# KiCad board 6502.kicad_pcb (continued)
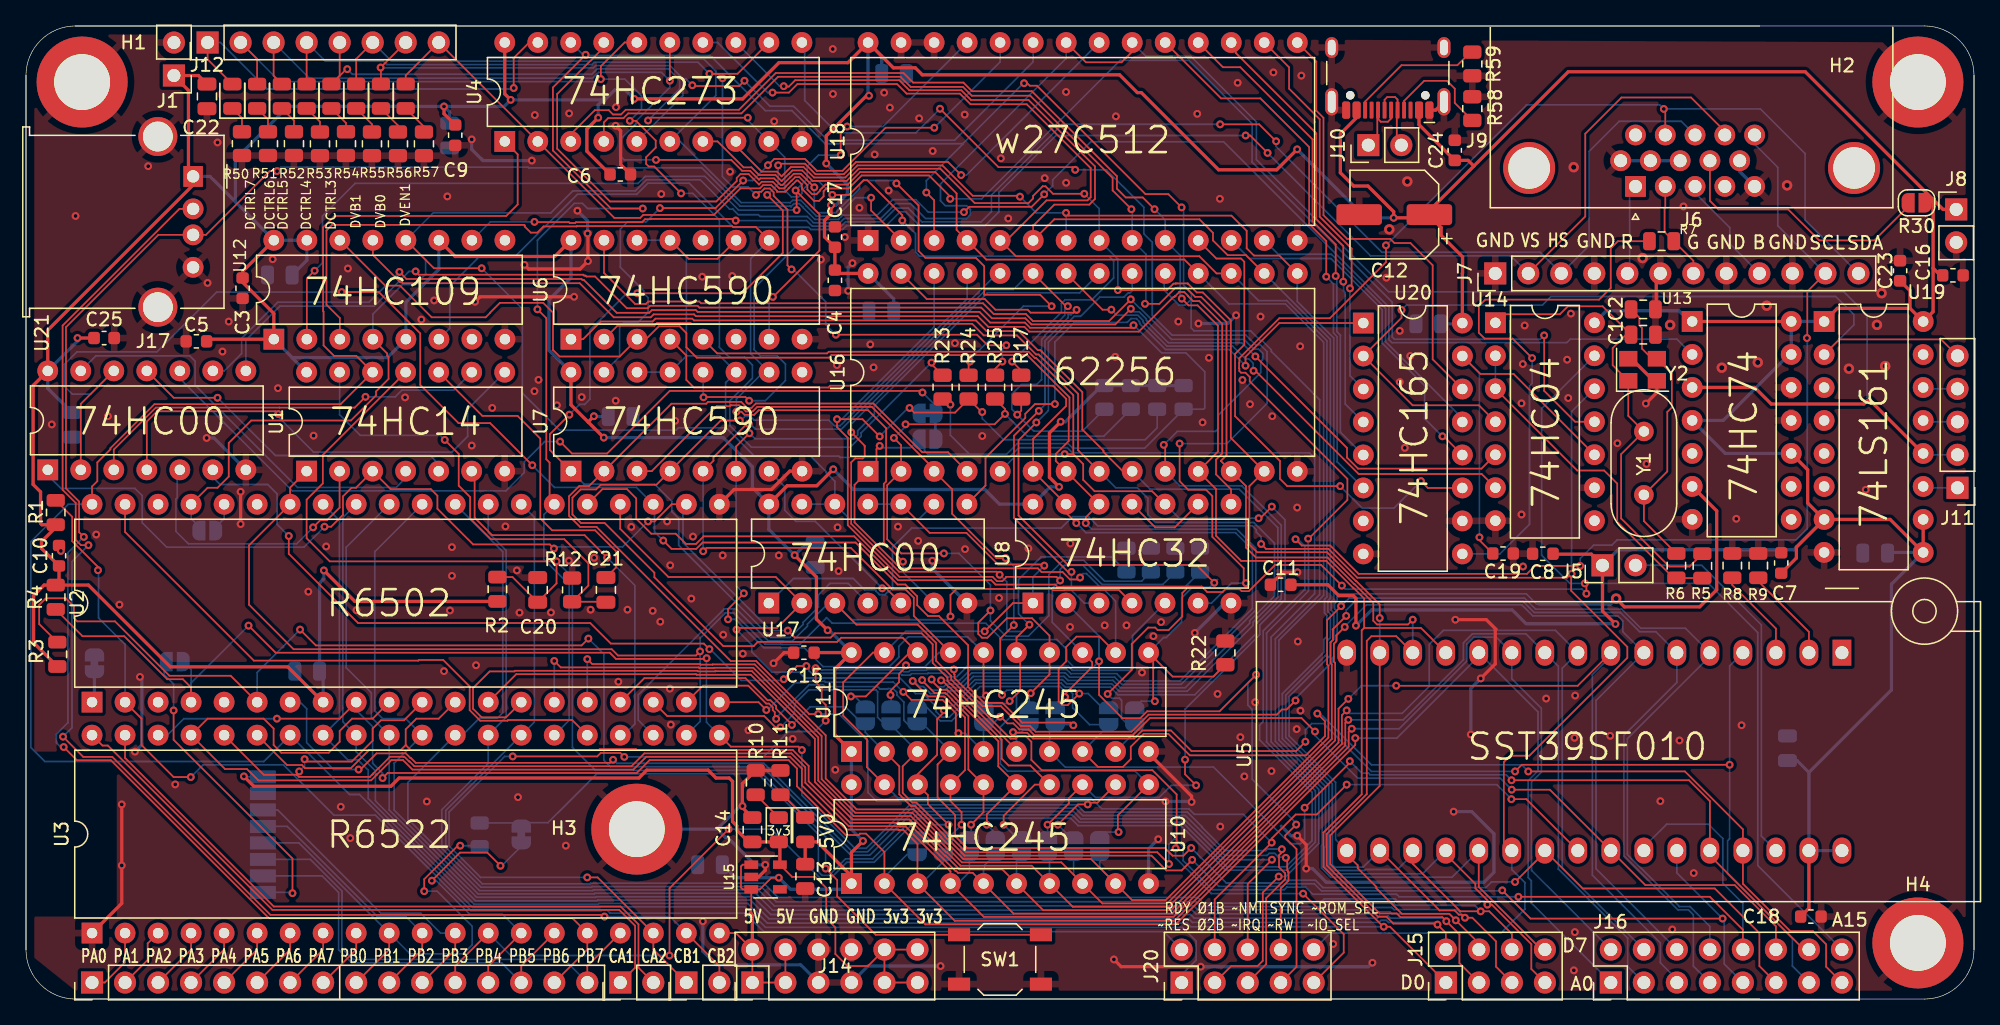
[diagram p0: board, top side]
## Routing (per net, layer and track width the routed paths; a pad name or vN(x,y) marks a point on that pad's centre or on a via; arc(x,y) is an arc through that point) (continued)
C2: length 112.6
  Top w0.13: U16.8 80.93,42.26 80.93,46.6 77.9,49.63 77.7,49.63 76.24,51.1 73.68,51.1 72.79,52 51.19,52 51.12,52.06 48.56,52.06 48.34,51.84 45.5,51.84 U6.2 ; v1(68.94,24.56) 68.94,24.53 69.91,23.56 70.72,23.56 70.79,23.49 70.82,23.49 71.26,23.05 71.26,23.03 72.5,21.79 72.5,17.67 U10.16 73.66,14.38 v1(72.7,13.43)
  Bottom w0.13: v1(72.7,13.43) 72.7,12.57 ; v1(68.94,24.56) 68.94,24.53 69.68,23.78 70.71,23.78 70.92,24 72.03,24 72.88,24.85 79.85,24.85 80.17,24.54 83.63,24.54 84.19,23.97 89.17,23.97 94.14,28.94 94.14,29.13 96.05,31.04 96.05,35.1 94.45,36.69 86.9,36.69 86.31,37.29 86.31,38.56 85.5,39.37 83.83,39.37 U16.8
C3: length 140.8
  Top w0.13: 47.69,50.81 48.68,51.81 50.28,51.81 50.8,51.28 50.8,50.19 51.6,49.39 61.76,49.39 61.96,49.58 77.02,49.58 79.11,47.49 80.27,46.33 80.27,44.86 80.21,44.8 80.21,42.97 79.22,41.97 79.22,41.43 U16.7 U8.12 81.53,37.09 v1(81.53,36.65) ; v1(73.92,13.43) 73.92,14.23 U10.15 74.8,17.91 74.8,19.85 71.52,23.13 71.52,23.16 70.92,23.75 70.9,23.75 70.83,23.82 70.37,23.82 69.67,24.52 v1(69.67,24.61) ; U6.3 45.67,49.48 41.05,49.48 40.54,49.99 40.54,52.86 39.79,53.61 36.46,53.61 35.69,52.85 35.69,52.83 35.36,52.5 31.21,52.5 28.77,54.93 27.64,54.93 U12.14
  Bottom w0.13: 74.58,12.76 v1(73.92,13.43) ; v1(81.53,36.65) 82,36.17 93.15,36.17 94.61,34.71 94.61,29.97 88.87,24.23 84.3,24.23 83.74,24.8 80.27,24.8 79.96,25.11 72.75,25.11 71.9,24.26 70.81,24.26 70.6,24.04 70.13,24.04 69.67,24.5 v1(69.67,24.61)
C4: length 110
  Top w0.13: U8.13 U16.6 77.48,43.14 80.01,45.67 80.01,46.22 79.01,47.23 61.86,47.23 61.72,47.09 51.39,47.09 50.8,47.68 50.8,49.56 U6.4 ; v1(75.21,13.43) 75.21,14.11 77.61,16.51 U10.14 77.27,17.98 75.59,17.98 75.06,18.51 75.06,19.96 71.78,23.24 71.78,23.27 71.03,24.01 71,24.01 70.48,24.54 v1(70.4,24.54) ; 80.01,37.44 v1(80.8,36.65)
  Bottom w0.13: v1(70.4,24.54) 71.81,24.54 72.64,25.37 80.07,25.37 80.38,25.06 83.91,25.06 84.48,24.49 88.76,24.49 94.35,30.08 94.35,34.61 93.04,35.91 81.54,35.91 v1(80.8,36.65) ; 76.2,12.43 v1(75.21,13.43)
C5: length 99.6
  Top w0.13: v1(89.17,18.43) 89.17,17.3 v1(90.01,16.46) ; U6.5 53.18,49.72 61.63,49.72 61.75,49.84 77.13,49.84 77.61,49.36 77.71,49.36 80.57,46.5 80.57,41.96 ; v1(78.59,13.43) 80.23,15.07 80.23,15.46 U10.13 ; v1(94.82,37.02) 94.95,37.02 v1(95.84,37.92) ; 80.57,41.96 v1(79.91,41.96) ; 80.57,41.96 81.33,41.2 81.33,39.98 82.21,39.1 86.63,39.1 U8.10
  Bottom w0.13: v1(79.91,41.96) 76.27,41.96 U16.5 ; v1(94.82,37.02) 88.71,37.02 U8.10 ; U10.13 82.27,15.52 87.17,15.52 88.11,16.46 v1(90.01,16.46) ; R36.2 v1(78.59,13.43) ; v1(95.84,37.92) 96.86,36.9 96.86,30.75 94.92,28.81 94.92,28.06 89.17,22.31 v1(89.17,18.43)
C7: length 83.6
  Top w0.13: U12.2 21.61,55.49 v1(22.2,56.08) ; v1(57.46,54.07) 57.47,54.07 61.04,57.63 61.04,60.43 v1(59.21,62.26) 59.29,62.19 v1(59.29,60.76) ; v1(62.68,64.98) 62.68,66.69 v1(63.17,67.19)
  Bottom w0.13: v1(59.29,60.76) 54.82,60.76 52.22,63.35 47.63,63.35 47.09,62.81 25.31,62.81 22.81,60.3 22.81,56.69 v1(22.2,56.08) ; v1(57.46,54.07) 57.17,53.78 U6.7 ; U18.25 65.93,67.19 v1(63.17,67.19) ; v1(59.21,62.26) 60.1,63.15 60.1,64.11 60.97,64.98 v1(62.68,64.98)
C8: length 50.7
  Top w0.13: v1(69.87,67.1) 66.13,67.1 62.81,63.78 60.84,63.78 59.93,64.69 57.56,64.69 v1(57.08,64.21) ; v1(55.17,63.03) 53.05,60.91 v1(48.77,60.91)
  Bottom w0.13: U18.24 74.94,72.16 v1(69.87,67.1) ; v1(48.77,60.91) 47.7,59.84 46.28,59.84 45.72,59.28 45.72,56.35 47.52,54.55 47.52,54.35 47.86,54.01 47.86,52.88 47.04,52.07 45.98,52.07 45.67,51.76 45.67,49.48 U7.15 ; v1(55.17,63.03) 55.9,63.03 v1(57.08,64.21)
C9: length 100.9
  Top w0.13: U7.1 40.3,42.28 40.3,43.5 v1(41.8,45) ; v1(57.86,64.2) 57.99,64.33 59.93,64.33 60.73,63.52 62.92,63.52 63.86,64.46 70.93,64.46 v1(71.94,63.45) ; v1(57.02,61.92) 58.22,60.73 58.22,57.45 55.11,54.35 v1(47.03,54.35)
  Bottom w0.13: v1(57.02,61.92) 57.86,62.76 v1(57.86,64.2) ; U18.21 72.36,63.45 v1(71.94,63.45) ; v1(41.8,45) 42.59,45.79 42.98,45.79 43.38,46.19 43.38,51.51 46.22,54.35 v1(47.03,54.35) ; U17.4 63.25,32 61.85,32 60.96,31.11 60.96,30.18 59.79,29.01 59.79,28.85 58.77,27.84 57.31,27.84 50.21,34.93 50.21,37.01 49.68,37.54 49.68,38.33 48.36,39.66 42.92,39.66 U7.1
C10: length 96.2
  Top w0.13: U10.12 82.43,15.12 81.81,15.12 v1(81.68,14.99) 80.94,14.99 v1(79.38,13.43) ; U16.4 70.93,42.11 68.94,42.11 65.19,45.86 56.15,45.86 55.8,45.51 55.49,45.51 55.02,45.98 54.13,45.98 54.13,45.98 52.47,45.98 52.33,45.84 49.66,45.84 U7.2 43.32,39.5 42.56,39.5 41.78,38.72 41.78,37.21 42.63,36.36 43.89,36.36 54.21,26.03 56.17,26.03 60.25,21.94 v1(60.95,21.94)
  Bottom w0.13: 80.38,12.42 v1(79.38,13.43) ; v1(81.68,14.99) 81.44,15.22 65.45,15.22 64.77,15.9 64.77,19.87 64.39,20.25 64.24,20.25 62.54,21.94 v1(60.95,21.94)
C11: length 73.6
  Top w0.13: U16.3 71.25,39.25 71.25,37.36 74.65,33.96 v1(75.36,33.96) ; v1(84.05,12.86) 84,12.91 84,14.15 U10.11 ; U7.3 48.14,40.65 53.14,45.65 54.14,45.65 54.21,45.72 54.24,45.72 54.24,45.72 54.85,45.72 54.92,45.65 54.98,45.65 55.38,45.25 55.91,45.25 56.26,45.6 65.07,45.6 69.86,40.81 ; v1(75.08,23.42) 74.95,23.55 74.95,27.75 v1(75.99,28.79)
  Bottom w0.13: R38.2 83.03,12.86 v1(84.05,12.86) ; v1(75.08,23.42) 75.45,23.79 75.88,23.79 76.2,23.47 76.2,22.2 74.96,20.95 74.96,18.11 75.51,17.56 85.31,17.56 U10.11 ; v1(75.99,28.79) 75.99,33.33 v1(75.36,33.96)
C12: length 79.6
  Top w0.13: v1(63.46,23.3) 64.61,23.3 67.98,26.68 ; U11.18 67.44,27.82 62.71,27.82 62.4,27.5 56.3,27.5 55.98,27.18 53.64,27.18 48.34,32.48 48.34,32.83 44.51,36.66 42.69,36.66 42.04,37.31 42.04,38.61 42.67,39.24 43.86,39.24 44.21,39.6 48.49,39.6 U7.4 53.44,44.55 v1(54.91,44.55)
  Bottom w0.13: U16.25 72.4,53.92 62.63,44.15 62.2,44.15 61.77,44.57 56.01,44.57 56.01,44.59 55.72,44.87 55.32,44.87 55.03,44.59 55.03,44.57 54.94,44.57 v1(54.91,44.55) ; v1(63.46,23.3) 63.76,23.3 R39.2
C13: length 66.6
  Top w0.13: U11.17 68.3,29.5 68.3,30.9 67.67,31.54 66.66,31.54 63.45,34.74 52.36,34.74 v1(52.1,34.48) ; U7.5 52.88,41.45 52.88,41.72 55.46,44.3 v1(55.6,44.3) ; v1(66.5,23.41) 66.5,23.74 67.17,24.4 67.17,25.05 67.7,25.58 v1(67.7,25.7)
  Bottom w0.13: v1(66.5,23.41) 66.55,23.37 R40.2 ; v1(55.6,44.3) 55.74,44.16 55.85,44.16 56.11,43.89 62.74,43.89 74.72,55.88 ; v1(67.7,25.7) 67.82,25.58 69.14,25.58 70.24,26.68 U11.17 ; v1(52.1,34.48) 52.08,34.49 U7.5
C14: length 81.3
  Top w0.13: v1(54.01,29.24) 54.01,30.03 v1(55.22,31.24) ; U11.16 73.66,23.56 v1(73.86,23.36) ; v1(55.65,43.57) 54.62,42.55 U7.6
  Bottom w0.13: v1(73.86,23.36) 73.76,23.26 73.05,23.26 71.2,21.41 70.34,21.41 68.91,22.84 ; U16.21 81.19,54.51 81.18,54.51 81.05,54.38 73.96,54.38 65.27,45.68 65.27,45.05 63.98,43.77 63.98,43.44 63.69,43.15 56.08,43.15 v1(55.65,43.57) ; U7.6 54.62,31.84 v1(55.22,31.24) ; v1(54.01,29.24) 54.57,29.24 56.75,27.05 58.05,27.05 58.05,27.05 59.87,27.05 61.32,25.6 66.42,25.6 67.16,26.34 67.16,27.18 67.87,27.89 72.45,27.89 U11.16
C15: length 15.4
  Top w0.13: v1(65.87,31.63) 66.17,31.63 U17.5
  Bottom w0.13: v1(65.87,31.63) 60.72,36.78 59.23,36.78 58.37,37.64 58.37,39.45 U7.7
CB1: length 151.7
  Top w0.13: v1(37.44,18.68) 43.95,18.68 44.21,18.95 45.72,18.95 v1(46.03,18.64) ; v1(61.52,21.44) 61.52,22.66 61.22,22.96 61.22,23.93 60.74,24.4 v1(60.74,25.48) ; v1(71.38,25.38) 71.38,25.05 71.44,24.99 71.44,24.71 73.59,22.55 75,22.55 76.53,21.02 76.56,21.02 76.57,21.02 77.24,21.02 77.67,20.58 85.04,20.58 85.8,21.34 86.36,21.9 96.22,21.9 96.62,22.3 96.97,22.3 v1(97.66,22.99) ; J4.1 48.26,3.81 U3.18 43.97,9.37 v1(43.17,9.37)
  Top w0.25: U13.6 130.06,37.59 130.06,31.51 128.76,30.2 122.96,30.2 v2(122.33,30.83)
  Bottom w0.13: v1(37.44,18.68) 36.83,18.68 32.55,14.4 32.55,11.79 34.97,9.37 v1(43.17,9.37) ; v1(97.66,22.99) 97.66,23.14 100.48,25.96 100.48,26.24 100.61,26.37 100.61,27.36 100.86,27.6 100.86,29.86 100.67,30.05 100.67,30.46 100.86,30.64 100.86,30.96 101.11,31.21 115.41,31.21 116.21,30.41 116.4,30.41 ; v1(46.03,18.64) 56.72,18.64 58.68,20.6 60.68,20.6 v1(61.52,21.44) ; v1(71.38,25.38) 71.37,25.36 69.3,25.36 69.25,25.32 68.02,25.32 67.9,25.2 67.49,25.2 67.35,25.34 61.21,25.34 61.18,25.37 60.85,25.37 v1(60.74,25.48)
  Bottom w0.25: v2(122.33,30.83) 121.91,30.41 116.4,30.41
CB2: length 106.5
  Top w0.13: v1(4.8,34.95) 4.23,34.95 3.83,35.35 3.83,38.2 2.82,39.21 2.82,51.86 11.8,60.85 J17.2 ; J4.2 53.34,2.54 U3.19 ; v1(2.85,20.2) 4.4,18.65 6.64,18.65 18.8,6.48 44.37,6.48 v1(44.5,6.35)
  Bottom w0.13: v1(2.85,20.2) 3.54,20.89 3.54,33.68 v1(4.8,34.95) ; v1(44.5,6.35) 49.53,6.35 U3.19
CTRL3: length 93.9
  Top w0.13: v1(47.85,67.65) 48.07,67.87 v1(55.53,67.87) ; v1(24.71,71.61) 24.65,71.61 DCTRL3.2 24.13,71.09 J12.5 ; v1(67.41,59.96) 67.41,60.36 64.72,63.05 64.44,63.05 63.31,61.92 v1(62.03,61.92) ; v1(75.86,49.09) 76.56,48.39
  Bottom w0.13: v1(55.53,67.87) 55.53,67.66 U4.9 58.37,64.82 58.37,62.28 58.88,61.77 59.42,61.77 59.7,62.05 59.7,62.26 60.44,63 60.95,63 v1(62.03,61.92) ; v1(75.86,49.09) 79.65,52.88 79.65,53.56 79.94,53.85 81.99,53.85 83.67,55.52 83.67,56.84 83.31,57.2 68.73,57.2 68.43,57.5 68.43,58.94 v1(67.41,59.96) ; v1(47.85,67.65) 50.28,70.08 50.28,70.77 49.43,71.62 43.94,71.62 43.53,71.21 25.11,71.21 v1(24.71,71.61)
CTRL4: length 83.6
  Top w0.13: v1(53.58,70.9) 53.24,71.25 v1(52.58,71.25) 54.74,71.25 U4.12 ; v1(62.3,51.16) 73.16,51.16 73.97,50.34 v1(75.41,50.34) ; R25.1 74.55,48.53 v1(75.11,49.09) ; v1(58.89,56.18) 58.58,56.5 58.58,60.79 57.52,61.85 57.52,62.13 57.23,62.42 56.82,62.42 56.57,62.16 56.4,62.16 v1(56.16,61.92) ; DCTRL4.2 J12.4
  Bottom w0.13: v1(58.89,56.18) 58.94,56.13 59.08,56.13 61.52,53.69 61.52,51.94 v1(62.3,51.16) ; v1(75.41,50.34) 75.11,50.04 v1(75.11,49.09) ; v1(56.16,61.92) 55.55,62.53 54.37,62.53 53.58,63.32 v1(53.58,70.9) ; J12.4 23.03,72.22 27.48,72.22 27.75,71.96 43.54,71.96 43.72,72.14 51.69,72.14 v1(52.58,71.25)
CTRL5: length 100.6
  Top w0.13: J12.3 19.05,71.09 DCTRL5.2 ; v1(78.9,53.35) 78.02,54.23 73.71,54.23 73.71,56.44 73.08,57.07 69.2,57.07 68.66,57.61 68.66,61.11 v1(66.96,62.81) ; v1(72.62,49.09) 72.51,48.98 R24.1 ; v1(48.46,64.62) 54.26,64.62 55.09,63.78 55.7,63.78 56.39,63.09 56.5,63.19 57.55,63.19 58.06,62.68 58.19,62.68 58.19,62.68 58.79,63.28 58.8,63.28 59.07,63.55 59.6,63.55 v1(60.64,62.51) ; U4.15 v1(49.53,70.71)
  Bottom w0.13: 72.52,49.15 72.62,49.25 ; 72.62,49.25 v1(72.62,49.09) ; 72.62,49.25 76.72,53.35 v1(78.9,53.35) ; v1(66.96,62.81) 66.74,63.03 64.41,63.03 64.12,62.74 64.12,62.39 62.28,60.55 60.91,60.55 60.64,60.82 v1(60.64,62.51) ; v1(48.46,64.62) 46.03,64.62 45.67,64.97 45.67,66.14 46.95,67.42 46.95,67.62 49.53,70.2 v1(49.53,70.71) 48.88,71.36 44.04,71.36 43.59,70.91 21.8,70.91 J12.3
CTRL6: length 94.1
  Top w0.13: R23.1 69.66,48.88 v1(69.66,49.01) ; U4.16 46.05,73.66 44.22,71.83 v1(44.22,70.84) ; v1(46.45,67.63) 46.93,67.63 48.45,66.11 48.45,65.56 47.7,64.82 47.7,64.31 47.91,64.11 48.33,64.11 v1(50.4,62.04) ; DCTRL6.2 17.78,72.39 J12.2
  Bottom w0.13: v1(46.45,67.63) 47.35,68.53 47.35,69.55 46.06,70.84 v1(44.22,70.84) 44.03,70.65 19.52,70.65 J12.2 ; v1(69.66,49.01) 69.65,48.99 69.63,48.99 64.24,43.6 64.24,43.33 63.41,42.49 55.81,42.49 54.15,44.14 54.15,46.07 55.88,47.8 55.88,48.82 55.27,49.43 54.1,49.43 53.34,50.19 53.34,59.99 51.29,62.04 v1(50.4,62.04)
CTRL7: length 33.1
  Top w0.13: DCTRL7.2 13.97,72.36 J12.1 ; 38.71,73.66 37.52,72.46 v1(37.52,70.15)
  Bottom w0.13: J12.1 14.95,73.66 18.53,70.08 37.44,70.08 v1(37.52,70.15)
D0: length 244.2
  Top w0.13: J15.1 104.93,5.57 v1(104.45,5.57) 104.42,5.57 99.81,10.17 99.81,12.82 102.76,15.76 102.76,28.39 102.94,28.58 ; U5.13 107.32,28.58 102.94,28.58 ; 102.94,28.58 102.94,30.85 102.11,31.68 102.09,31.68 100.02,33.74 93.48,33.74 91.55,35.67 91.55,39.27 U16.11 91.7,42.15 91.7,51.85 90.13,53.41 89.43,53.41 v1(88.91,53.93) ; 41.91,66.6 43.76,68.45 44.83,68.45 45.16,68.12 45.78,68.12 46.14,68.48 54.85,68.48 57.68,71.31 67.51,71.31 68.25,70.57 72.12,70.57 72.78,69.91 77.38,69.91 83.92,63.36 83.92,62.4 84.6,61.72 85.91,61.72 v1(86.82,60.82)
  Bottom w0.13: v1(88.91,53.93) 88.79,54.05 88.79,57.26 U18.10 87.64,60 v1(86.82,60.82) ; U2.33 24.11,36.85 24.11,21.57 U3.33 24.77,18.41 25.54,18.41 26.33,17.63 26.33,15.44 34.46,7.31 44.03,7.31 44.08,7.36 55.52,7.36 57.03,5.85 89.31,5.85 89.6,5.57 v1(104.45,5.57)
D1: length 246.6
  Top w0.13: U5.14 105.41,27.94 103.51,27.94 103.14,27.58 103.14,15.78 100.07,12.71 100.07,10.28 104.02,6.33 104.67,6.33 105.19,5.81 108.51,5.81 v1(108.59,5.73) 109.23,5.09 J15.2 ; v1(86.09,53.53) 87.19,53.53 88.42,54.76 88.58,54.76 88.6,54.77 89.23,54.77 89.24,54.76 89.25,54.76 89.94,54.07 90.4,54.07 92.35,52.12 92.35,41.88 91.92,41.44 91.92,41.43 U16.12 93.85,39.5 93.85,34.77 94.62,34 100.13,34 102.19,31.94 102.22,31.94 103.65,30.51 103.65,29.13 103.94,28.84 106.31,28.84 v1(106.68,29.21) ; U4.4 44.45,67.5 44.79,67.84 45.96,67.84 46.33,68.2 55.03,68.2 57.85,71.02 67.28,71.02 68.06,70.24 72.08,70.24 72.76,69.56 77.26,69.56 83.59,63.23 83.59,62.27 v1(85.04,60.82)
  Bottom w0.13: U5.14 v1(106.68,29.21) ; v1(86.09,53.53) 86.16,53.61 86.16,57.36 U18.9 85.1,60.76 v1(85.04,60.82) ; v1(108.59,5.73) 108.42,5.9 104.82,5.9 104.66,6.06 104.25,6.06 104.08,5.9 89.73,5.9 89.45,6.18 57.17,6.18 55.72,7.62 43.98,7.62 43.92,7.57 34.57,7.57 26.88,15.26 26.88,17.57 25.4,19.05 U3.32 24.37,21.35 24.37,37.07 U2.32
D2: length 232.4
  Top w0.13: U4.7 53.2,66.04 55.2,64.04 55.81,64.04 56.39,63.45 57.66,63.45 58.13,62.98 58.68,63.54 58.69,63.54 58.96,63.81 59.71,63.81 60.52,63 63.13,63 64.07,63.94 70.34,63.94 72.98,61.29 77.12,61.29 77.48,61.65 77.48,61.85 78.21,62.58 78.43,62.58 79.01,62.01 v1(81.41,62.01) ; v1(104.14,29.34) 104.14,30.38 102.33,32.19 102.3,32.19 100.09,34.4 94.71,34.4 94.11,35.01 94.11,39.49 U16.13 92.68,43.21 92.68,52.26 90.53,54.41 90.07,54.41 89.39,55.09 89.38,55.09 89.37,55.1 88.46,55.1 88.45,55.09 88.28,55.09 87.78,54.59 v1(84,54.59) ; J15.3 110.27,2.77 110.27,4.99 v1(109.27,5.99) 108.96,6.3 105.74,6.3 105.45,6.59 104.13,6.59 100.33,10.39 100.33,12.6 104.14,16.41 U5.15
  Bottom w0.13: U2.31 24.63,34.79 24.63,25.51 26.57,23.58 26.57,21.69 U3.31 27.94,14.56 34.67,7.83 43.82,7.83 43.87,7.88 55.93,7.88 57.3,6.51 89.59,6.51 89.87,6.23 103.95,6.23 104.11,6.39 104.79,6.39 104.96,6.23 109.03,6.23 v1(109.27,5.99) ; U5.15 v1(104.14,29.34) ; v1(81.41,62.01) 82.56,60.86 U18.8 84,56.98 v1(84,54.59)
D3: length 227.7
  Top w0.13: 101.6,11.15 102.45,10.3 102.45,10.07 103.88,8.64 103.88,8.53 105.85,6.56 109.49,6.56 v1(109.99,6.06) 111.77,4.29 ; U16.15 96.43,57.25 94.47,57.25 93.91,57.81 93.91,59.15 92.74,60.33 80.22,60.33 v1(80.01,60.54) ; 54.61,65.7 56.6,63.71 57.77,63.71 58.13,63.35 58.84,64.07 59.82,64.07 60.62,63.26 63.03,63.26 63.96,64.2 70.49,64.2 72.83,61.86 76.39,61.86 v1(76.46,61.79)
  Bottom w0.13: U16.15 97.8,53.71 100.6,50.9 100.6,30.75 100.41,30.56 100.41,29.94 100.6,29.75 100.6,27.71 100.36,27.47 100.36,26.48 100.2,26.33 97.17,23.29 97.17,20.26 100.75,16.68 100.75,12.28 U5.17 ; v1(76.46,61.79) 77.71,60.54 v1(80.01,60.54) 80.02,60.53 U18.7 ; U2.30 26.83,34.45 26.83,22.19 27.43,21.59 29.21,21.59 U3.30 28.32,18.16 28.32,14.55 34.78,8.09 43.71,8.09 43.76,8.14 56.13,8.14 57.44,6.84 89.72,6.84 90.01,6.56 103.81,6.56 103.97,6.72 104.93,6.72 105.09,6.56 109.5,6.56 v1(109.99,6.06)
D4: length 246.2
  Top w0.13: v1(58.29,70.29) 58.32,70.26 58.68,70.26 59.18,70.76 67.17,70.76 67.95,69.98 71.95,69.98 72.7,69.23 77.12,69.23 82.24,64.12 82.24,61.61 81.8,61.17 79.1,61.17 77.48,59.55 U18.6 79.11,60.04 90.27,60.04 91.31,59 91.31,58.41 92.45,57.28 93.85,57.28 U16.16 ; U5.18 108.75,6.82 109.91,6.82 110.23,6.49 110.46,6.49 v1(110.7,6.26) 111.27,6.26 113.08,4.44 113.08,2.5 J15.5
  Bottom w0.13: v1(110.7,6.26) 110.07,6.89 105.23,6.89 105.07,7.05 103.84,7.05 103.65,6.86 90.17,6.86 89.86,7.17 57.58,7.17 56.34,8.4 43.65,8.4 43.6,8.35 34.89,8.35 29.38,13.86 29.38,16.68 U3.29 ; 33.58,20.32 34.9,21.64 36.27,21.64 36.68,22.05 36.68,34.44 U2.29 ; U5.18 102.87,10.16 100.69,10.16 100.49,10.35 100.49,16.57 96.91,20.15 96.91,23.4 100.1,26.59 100.1,27.57 100.34,27.82 100.34,29.64 100.15,29.83 100.15,30.67 100.34,30.86 100.34,50.8 95.26,55.88 ; U4.13 57.98,70.29 v1(58.29,70.29)
D5: length 246.8
  Top w0.13: v1(57.43,69.8) 58.69,69.8 59.34,70.46 67.01,70.46 67.74,69.72 71.84,69.72 72.66,68.9 76.99,68.9 81.91,63.98 81.91,61.75 81.66,61.5 78.51,61.5 75.42,58.42 ; U16.17 91.59,55.88 90.26,57.2 76.16,57.2 U18.5 ; U5.19 106.68,10.41 110.34,6.75 v1(111.91,6.75) 112.57,6.75 114.31,5.01 J15.6
  Bottom w0.13: v1(57.43,69.8) 57.06,69.8 53.2,73.66 U4.14 ; U2.28 35.56,35.93 36.94,34.55 36.94,21.7 U3.28 35.56,18.15 31.98,14.57 31.98,11.62 34.99,8.61 43.49,8.61 43.54,8.66 56.55,8.66 57.71,7.5 90,7.5 90.37,7.12 99.94,7.12 100.2,7.38 105.2,7.38 105.37,7.21 111.45,7.21 v1(111.91,6.75) ; 106.68,11.15 105.51,9.98 103.05,9.98 102.98,9.9 100.58,9.9 100.23,10.25 100.23,16.46 96.65,20.04 96.65,23.51 99.68,26.54 99.84,26.7 99.84,27.68 100.08,27.93 100.08,29.54 99.89,29.72 99.89,30.78 100.08,30.97 100.08,50.69 96.99,53.78 94.81,53.78 U16.17
D6: length 259.2
  Top w0.13: J15.7 115.81,2.31 115.81,4.22 112.76,7.27 v1(112.43,7.27) 112.43,7.6 111.5,8.53 111.5,8.87 109.22,11.15 ; 44.45,73.28 40.86,69.69 40.86,65.48 44.93,61.42 53.1,61.42 54.68,62.99 54.68,63.23 54.97,63.52 55.59,63.52 56.39,62.72 56.6,62.93 57.44,62.93 57.95,62.42 58.31,62.42 58.45,62.57 58.45,62.58 58.89,63.02 58.9,63.02 59.17,63.29 59.5,63.29 60.11,62.67 60.11,62.34 60.48,61.97 60.81,61.97 61.1,62.26 61.1,62.32 61.5,62.72 63.22,62.72 64.18,63.68 69.95,63.68 71.59,62.03 71.59,59.22 U18.4 73.88,56.94 89.12,56.94 U16.18
  Bottom w0.13: v1(112.43,7.27) 112.15,7.54 105.5,7.54 105.34,7.71 99.87,7.71 99.54,7.38 90.58,7.38 90.13,7.83 57.85,7.83 56.75,8.92 43.44,8.92 43.39,8.87 35.1,8.87 32.29,11.68 32.29,14.51 U3.27 39.11,21.33 39.11,37.09 U2.27 ; U16.18 92.53,53.52 96.88,53.52 99.82,50.58 99.82,31.07 96.39,27.64 96.39,19.94 99.97,16.35 99.97,11.76 99.92,11.71 99.92,10.19 100.47,9.64 107.43,9.64 U5.20
D7: length 219
  Top w0.13: v1(47.45,60.87) 45,60.87 40.53,65.34 40.53,70.19 v1(43.05,72.71) ; U5.21 111.76,8.64 116.59,3.81 ; v1(76.78,70.52) 77.03,70.52 77.22,70.33 77.77,70.33 86.12,61.98 87.88,61.98 v1(88.9,60.96) ; v1(69.26,62.11) 69.86,61.51 U18.3 ; v1(39.34,53.11) 40.03,52.43 40.03,41.56 40.28,41.31 40.28,38.46
  Bottom w0.13: v1(39.34,53.11) 39.34,58.43 42.18,61.27 42.8,61.27 43.2,60.87 v1(47.45,60.87) ; 89.65,53.9 89.63,53.88 89.63,51.68 89.86,51.45 94.21,51.45 94.96,50.71 95.08,50.71 95.8,49.99 95.8,49.86 99.52,46.15 99.52,31.14 96.12,27.74 96.12,19.84 99.71,16.25 99.71,11.87 99.66,11.82 99.66,10.08 100.36,9.38 109.71,9.38 U5.21 ; 89.65,53.9 89.65,54.37 89.05,54.96 89.05,60.81 v1(88.9,60.96) ; 89.65,53.9 89.19,53.44 88.69,53.44 87.55,54.58 87.55,55.79 ; U2.26 39.84,37.3 39.84,33.86 41.78,31.92 41.78,21.46 U3.26 ; U4.18 42.86,72.71 v1(43.05,72.71) 43.11,72.66 52.63,72.66 56.87,68.42 58.92,68.42 61.47,65.87 72.06,65.87 72.08,65.84 ; 72.08,65.84 69.26,63.02 v1(69.26,62.11) ; 72.08,65.84 72.08,65.87 76.73,70.52 v1(76.78,70.52)
G: length 7.6
  Top w0.13: J7.7 128.27,56.85 126.05,59.07 126.05,60.86 126.11,60.91 J6.2
HSYNC: length 114.5
  Top w0.13: v1(54.6,59.95) 54.47,60.07 48.09,60.07 48.07,60.05 47.62,60.05 47.39,59.82 42.31,59.82 42.25,59.76 41.82,59.76 41.75,59.83 39.13,59.83 v1(39.12,59.84) ; v1(96.17,66.05) 94.87,67.36 v1(91.86,67.36)
  Bottom w0.13: v1(91.86,67.36) 79.72,67.36 74.27,61.91 74.27,60.63 73.48,59.84 68.93,59.84 67.86,60.91 66.93,60.91 65.86,59.84 63.04,59.84 62.71,59.51 60.48,59.51 60.05,59.95 v1(54.6,59.95) ; J6.13 127.35,67.59 122.56,67.59 120.25,65.28 120.25,58.02 J7.3 116.49,57.5 104.31,57.5 96.17,65.65 v1(96.17,66.05) ; v1(39.12,59.84) 35.72,59.84 U12.10
MISO: length 30.7
  Top w0.13: U3.15 38.1,2.54 J2.14
  Bottom w0.13: U9.7 22.78,9.48 24.05,8.21 24.05,3.8 25.06,2.79 36.58,2.79 J2.14
MOSI: length 36.3
  Top w0.13: U3.17 43.18,2.54 J2.16
  Bottom w0.13: J2.16 41.4,3.05 25.17,3.05 24.31,3.91 24.31,8.32 21.88,10.75 U9.6
PB6: length 229.3
  Top w0.13: v1(19.31,63.76) 18.75,63.76 13.84,58.85 J17.3 10.18,58.85 3.08,51.74 3.08,39.32 4.08,38.31 4.08,35.95 v1(4.45,35.59) ; v1(72.16,60.6) 72.57,61.01 77.37,61.01 v1(78.33,61.97) ; J2.15 43.18,3.81 U3.16 42.04,6.22 18.7,6.22 6.53,18.39 3.91,18.39 v1(2.9,19.4)
  Bottom w0.13: v1(2.9,19.4) 2.67,19.4 2.34,19.73 2.34,20.39 3.23,21.28 3.23,34.37 v1(4.45,35.59) ; v1(72.16,60.6) 69.41,60.6 68.45,61.56 66.67,61.56 65.47,60.36 62.83,60.36 62.5,60.03 60.7,60.03 59.78,60.95 59.78,60.96 59.49,61.25 59.08,61.25 58.85,61.01 58.83,61.01 58.78,61.07 54.92,61.07 51.99,64 38.68,64 38.62,64.06 19.62,64.06 v1(19.31,63.76) ; v1(78.33,61.97) 78.98,62.62 78.98,63.08 81.92,66.01 92.13,66.01 104.85,53.3 104.85,50.78 105.08,50.54 118.53,50.54 118.81,50.82 127,50.82 U13.2
R: length 6.1
  Bottom w0.13: 123.36,56.05 123.36,62.12
RDY: length 108.9
  Top w0.13: v1(5.54,33.02) 5.54,33.27 3.56,35.26 3.56,37.13 R1.2 ; U2.2 8.89,21.59 8.89,19.56 11.36,17.09 v1(12.68,17.09)
  Bottom w0.13: J20.2 87.52,5.19 56.76,5.19 55.34,6.61 44.94,6.61 44.71,6.84 44.3,6.84 44.25,6.79 34.24,6.79 26.88,14.16 23.69,14.16 19.82,18.03 13.61,18.03 v1(12.68,17.09) ; U2.2 7.62,27.3 5.58,29.34 5.58,32.98 v1(5.54,33.02)
RF_CE: length 23.6
  Top w0.13: J2.11 33.02,3.81 U3.12
  Bottom w0.13: U3.12 31.89,5.08 30.36,6.61 27.31,6.61 19.36,14.56 U9.3
RF_CS: length 20.5
  Top w0.13: J2.10 30.48,3.81 U3.11
  Bottom w0.13: U9.4 20.1,13.29 27.04,6.35 29.21,6.35 U3.11
SCL_VGA: length 176.4
  Top w0.13: v1(119.56,33.36) 116.08,33.36 115.47,32.74 102.51,32.74 100.33,34.92 98.15,34.92 v1(97.66,35.41) ; v1(137.01,50.9) 137.03,50.93 137.03,54.48 J7.11
  Bottom w0.13: R49.2 38.07,13.56 ; J7.11 134.76,59.55 134.76,64.04 132.98,65.83 ; v1(97.66,35.41) 97.84,35.41 98.38,34.87 98.38,31.49 98.33,31.49 95.18,28.34 95.18,21.36 94.9,21.08 94.9,19.96 98.93,15.92 98.93,12.19 96.93,10.18 92.38,10.18 88.95,13.61 81.04,13.61 80.47,14.18 68.51,14.18 65.13,10.79 63.04,10.79 61.77,9.52 61.24,9.52 60.96,9.8 60.96,12.67 56.29,17.35 43.92,17.35 40.16,13.58 38.1,13.58 ; v1(137.01,50.9) 137.03,50.87 137.03,36.22 136.17,35.36 122.4,35.36 122.01,34.96 120.6,34.96 119.56,33.92 v1(119.56,33.36)
SDA_VGA: length 194.3
  Top w0.13: v1(98.64,35.45) 98.67,35.45 101.65,38.43 101.65,40.05 94.14,47.56 94.14,47.9 93.81,48.23 93.48,48.23 93.34,48.36 93.34,48.54 93.32,48.56 93.32,48.97 93.34,48.99 93.34,49.35 96.42,52.42 100.31,52.42 104.62,56.74 v1(104.62,58.04) ; v1(54.05,13.08) 49.51,8.53 v1(49.51,3.35) ; J2.12 33.02,2.54 U3.13 ; v1(126,68.54) 126.11,68.43 J6.12
  Bottom w0.13: v1(98.64,35.45) 98.64,35.45 98.64,34.7 98.66,34.68 98.66,31.41 95.43,28.19 95.43,19.79 99.19,16.03 99.19,12.08 97.04,9.92 92.27,9.92 88.85,13.35 80.93,13.35 80.37,13.92 68.63,13.92 65.25,10.53 63.15,10.53 61.88,9.26 61.13,9.26 57.32,13.08 v1(54.05,13.08) ; U3.13 37.29,3.35 v1(49.51,3.35) ; J7.12 136.86,59.99 136.86,65.11 133.43,68.54 v1(126,68.54) 125.68,68.86 115.44,68.86 v1(104.62,58.04)
SPI_CLK: length 37.2
  Top w0.13: J2.9 27.94,3.81 U3.10 ; v1(30.63,8.3) 30.63,9.22 33.22,11.81 v1(33.4,11.81)
  Bottom w0.13: 34.82,11.81 v1(33.4,11.81) ; v1(30.63,8.3) 31.62,8.3 34.32,5.61 34.32,4.16 33.63,3.48 29.54,3.48 U3.10 21,12.02 U9.5